# Altium PCB PCBDesign.PcbDoc (part 1 of 8) (continued)
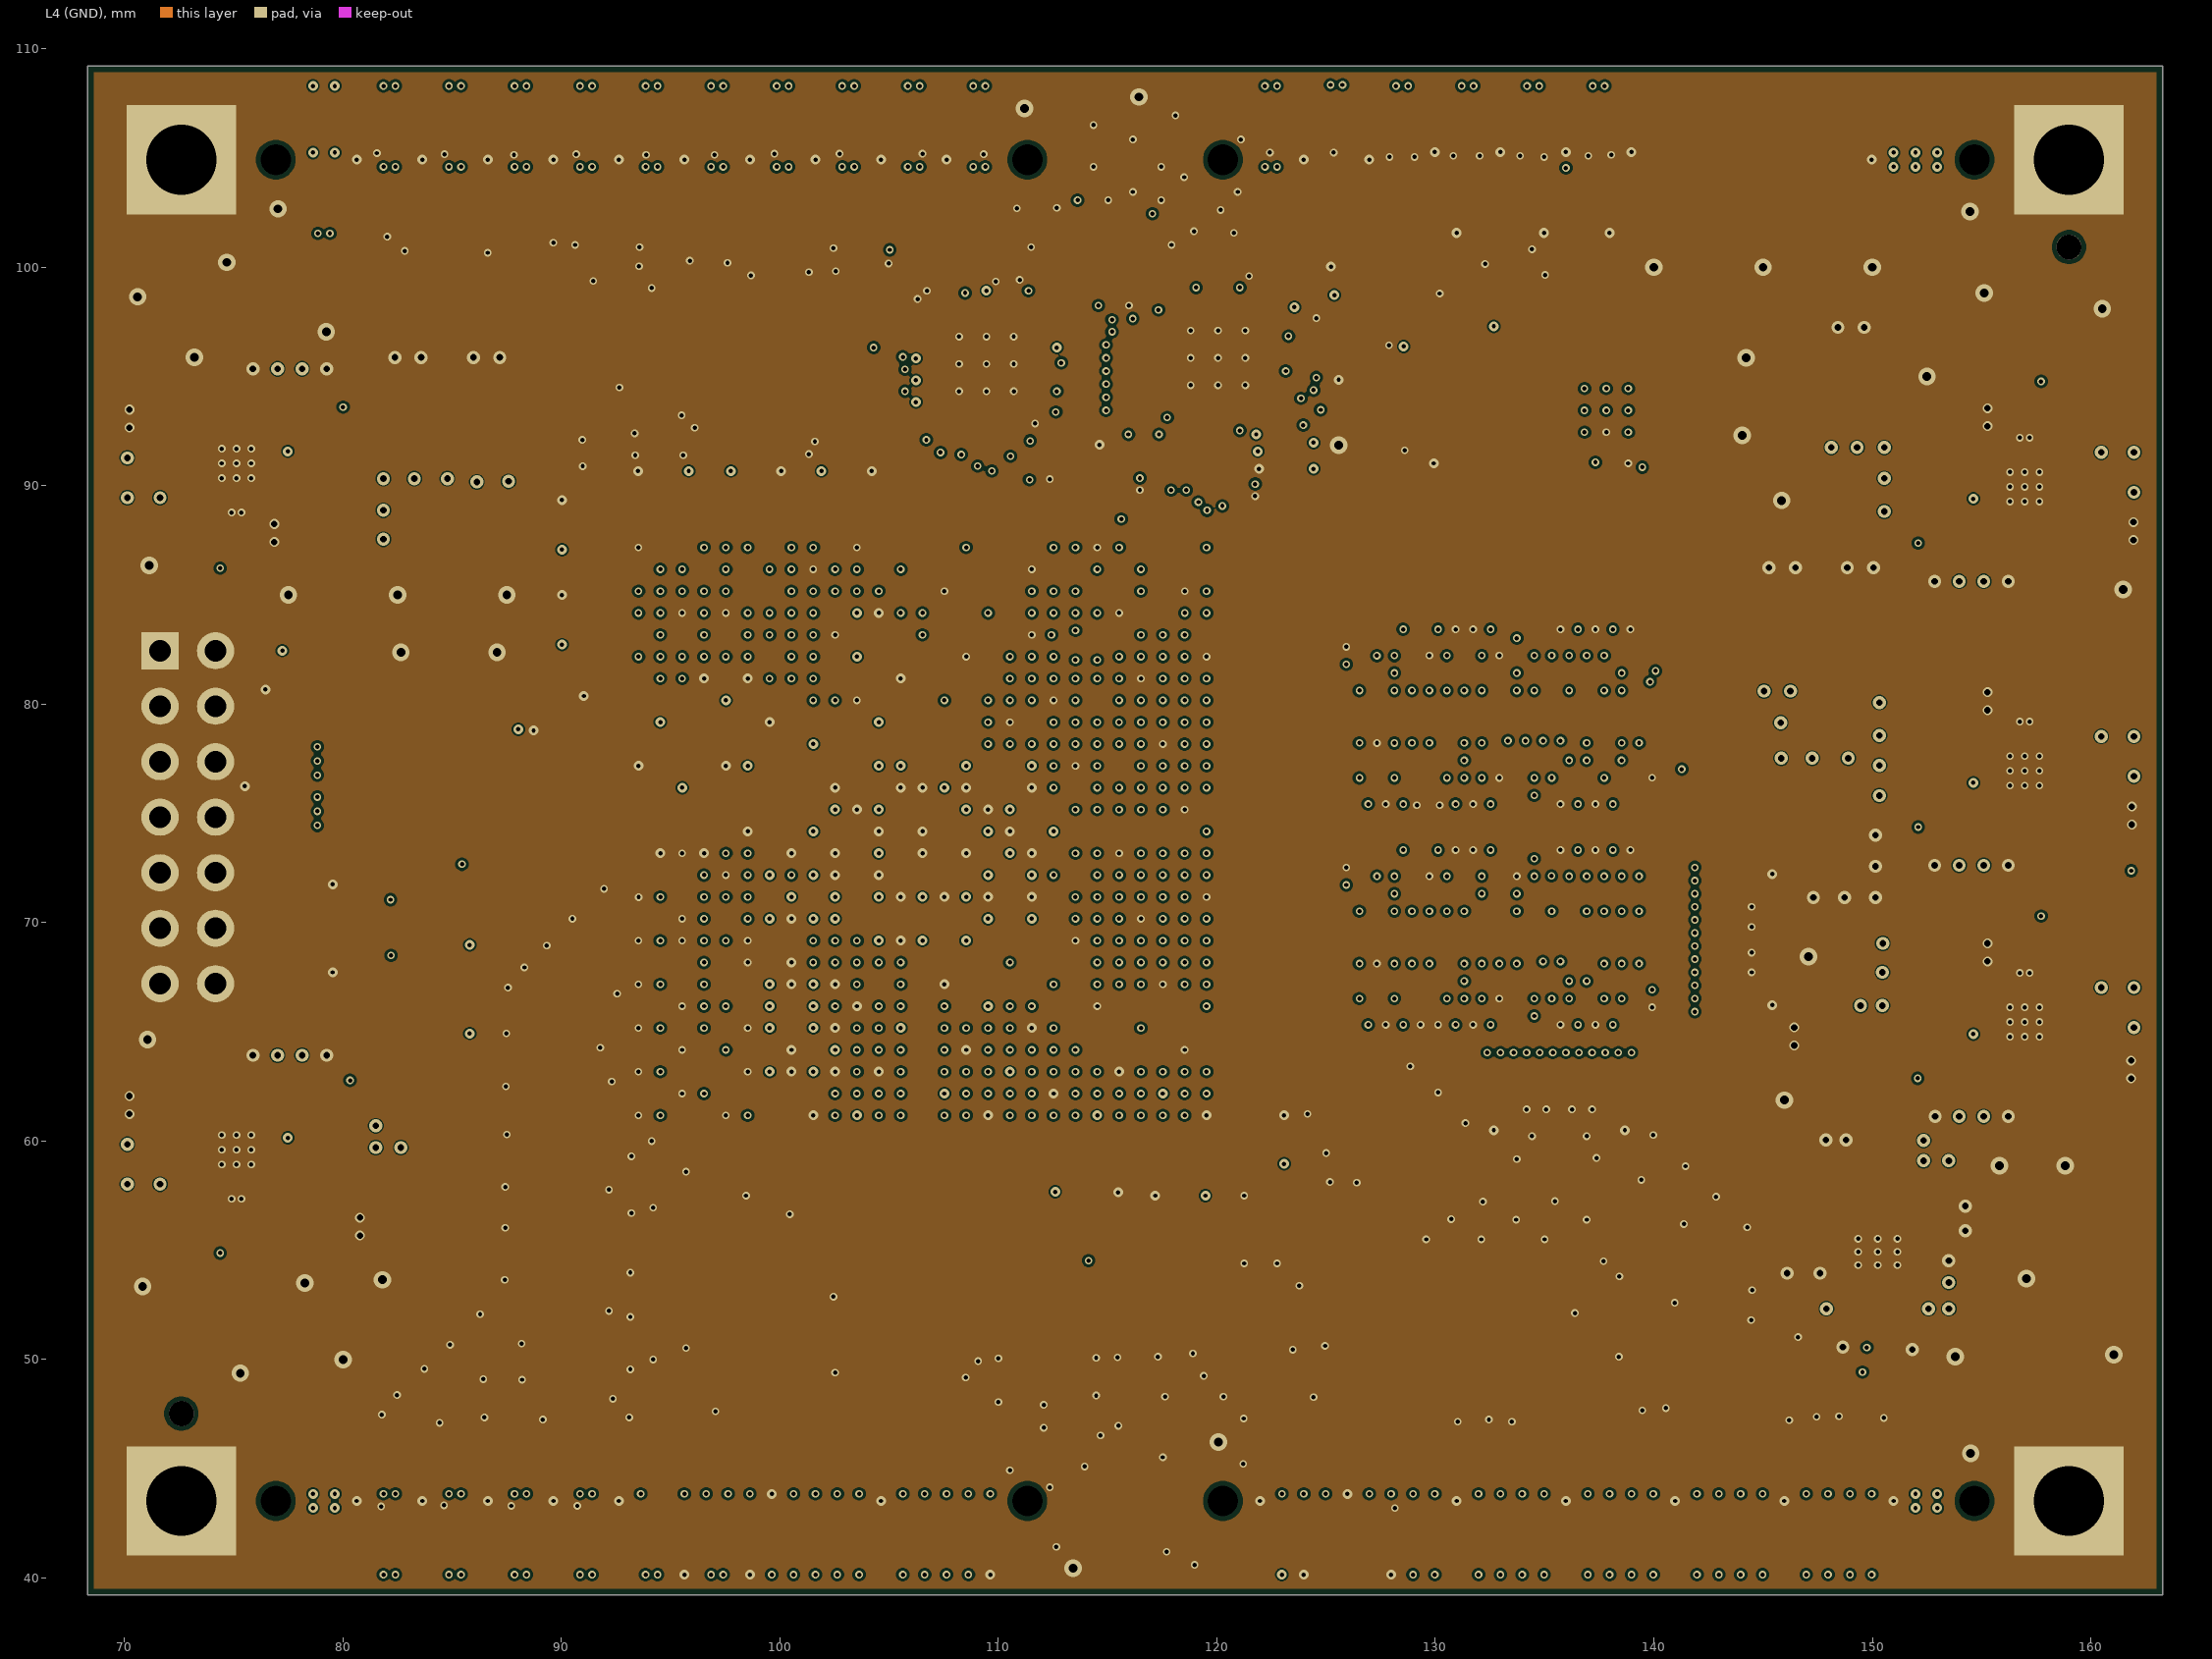
[diagram p4: L4 (GND)]
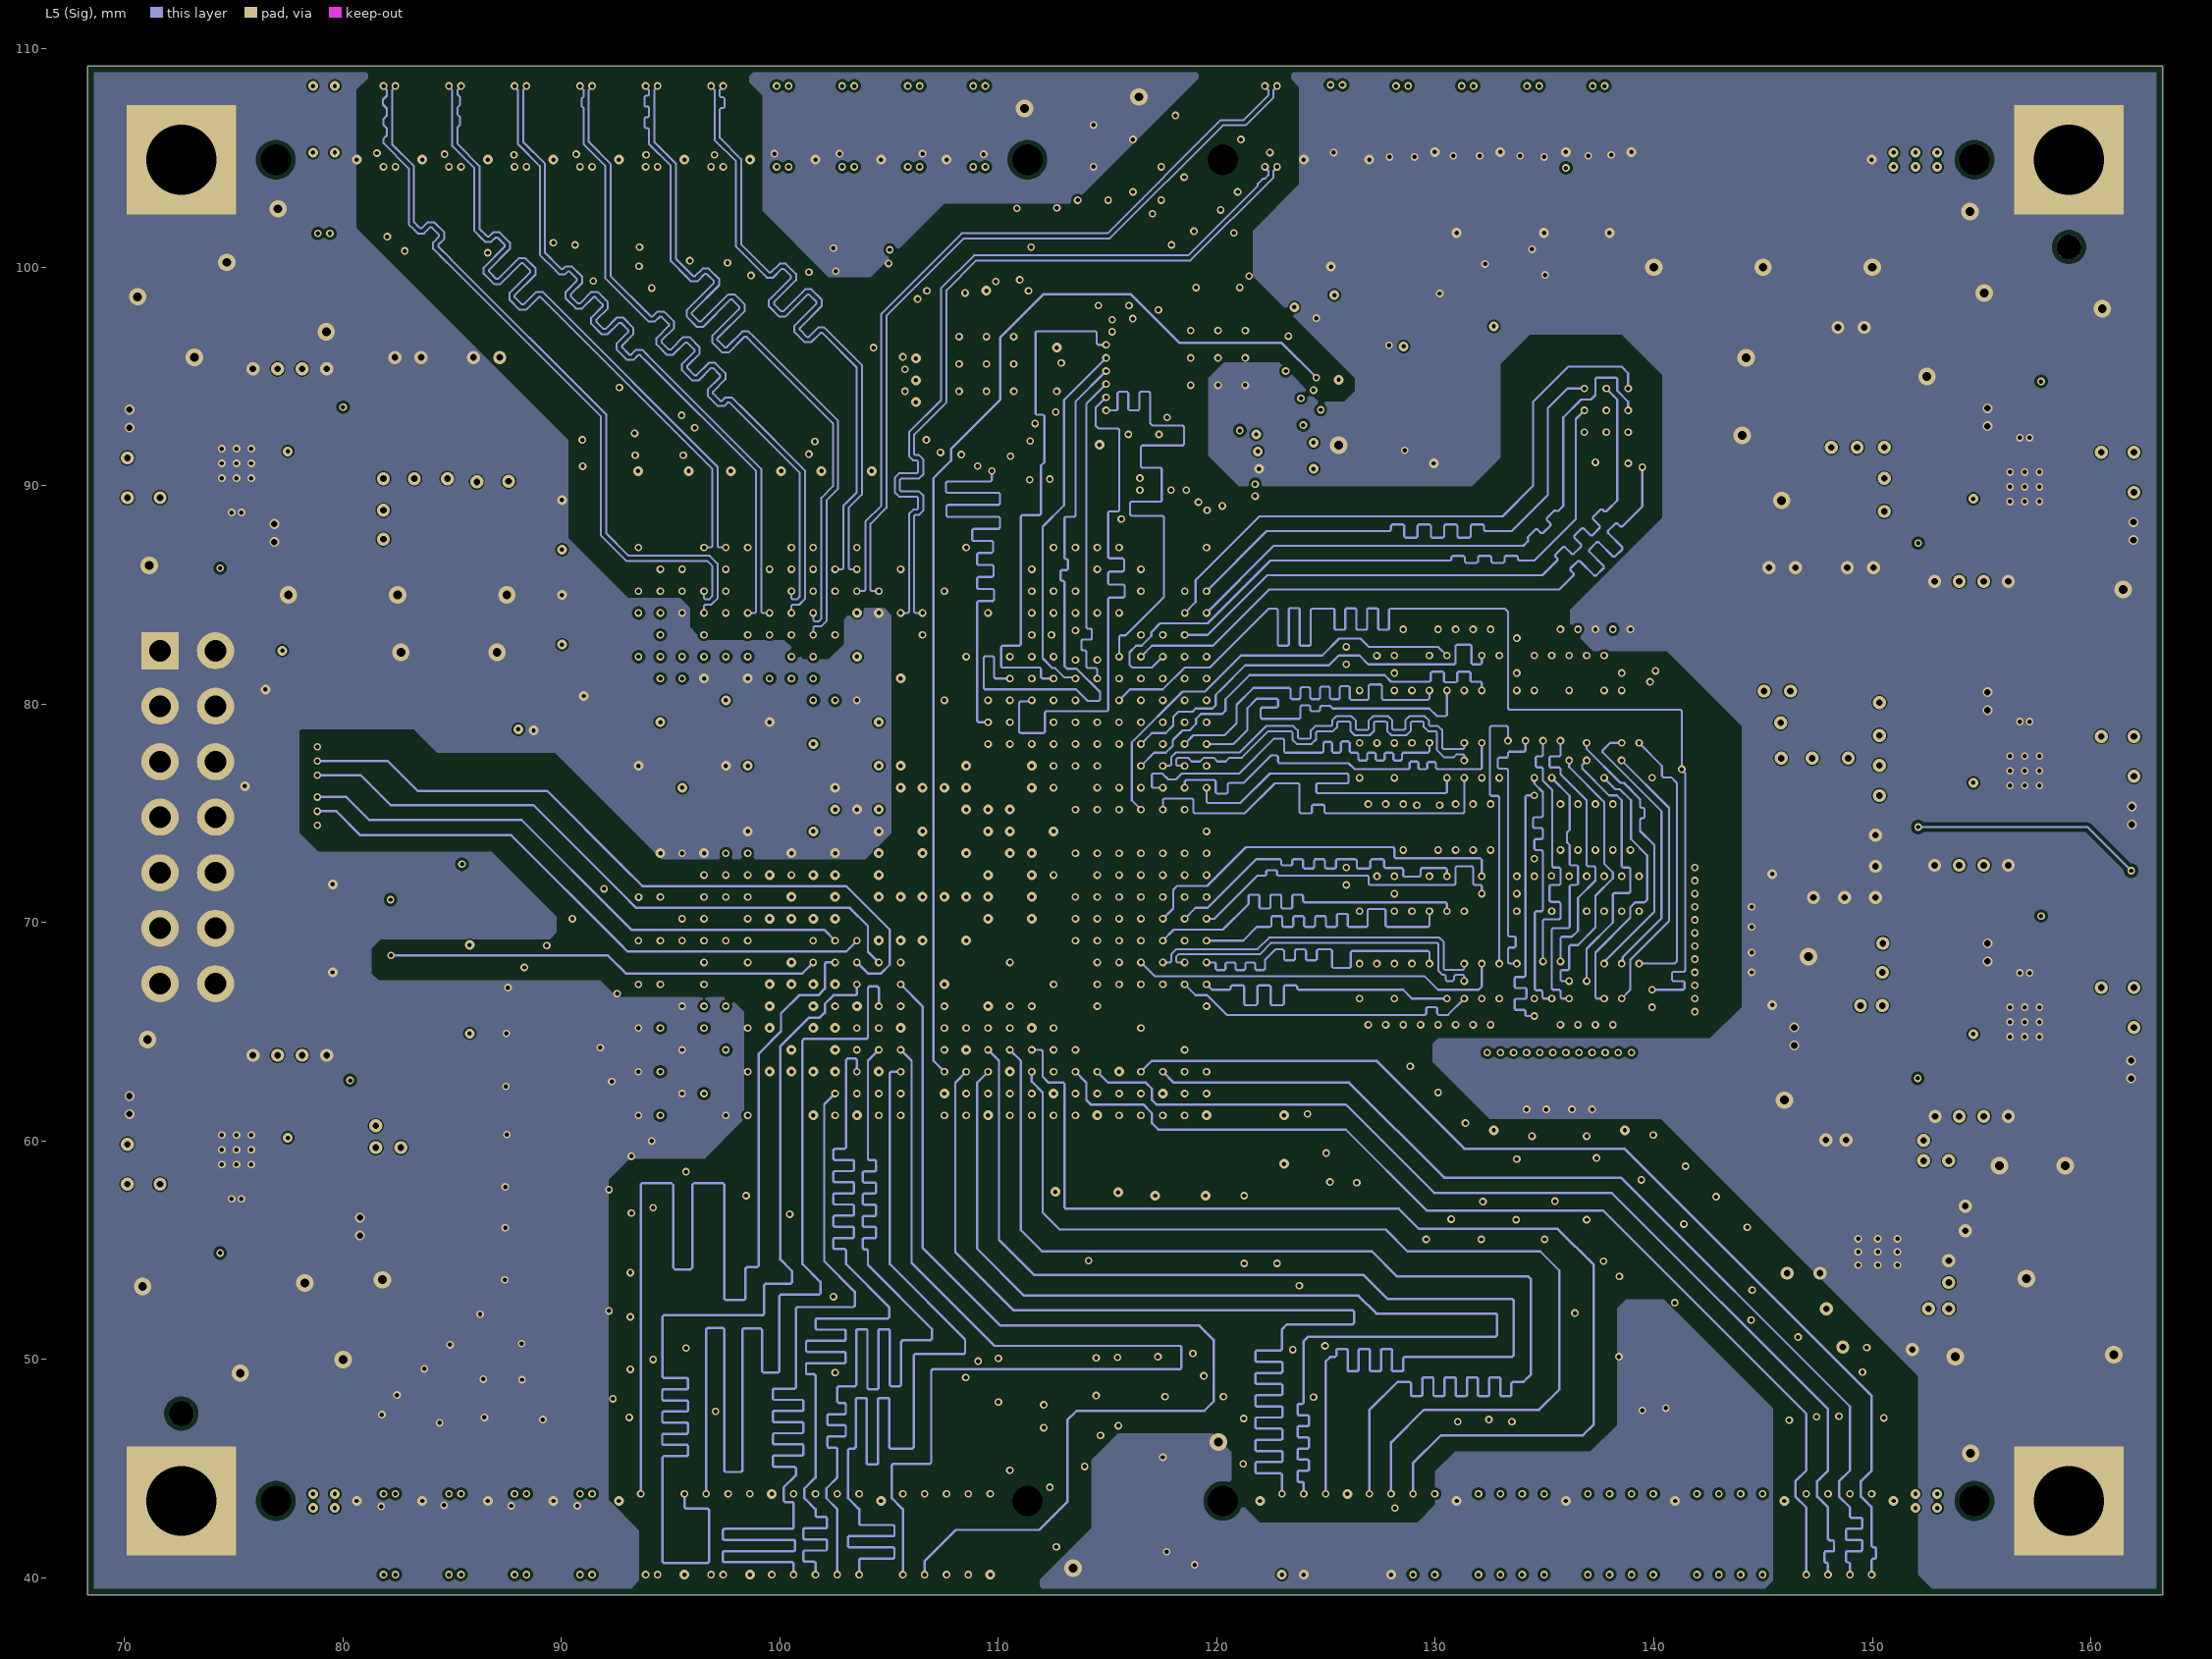
[diagram p5: L5 (Sig)]
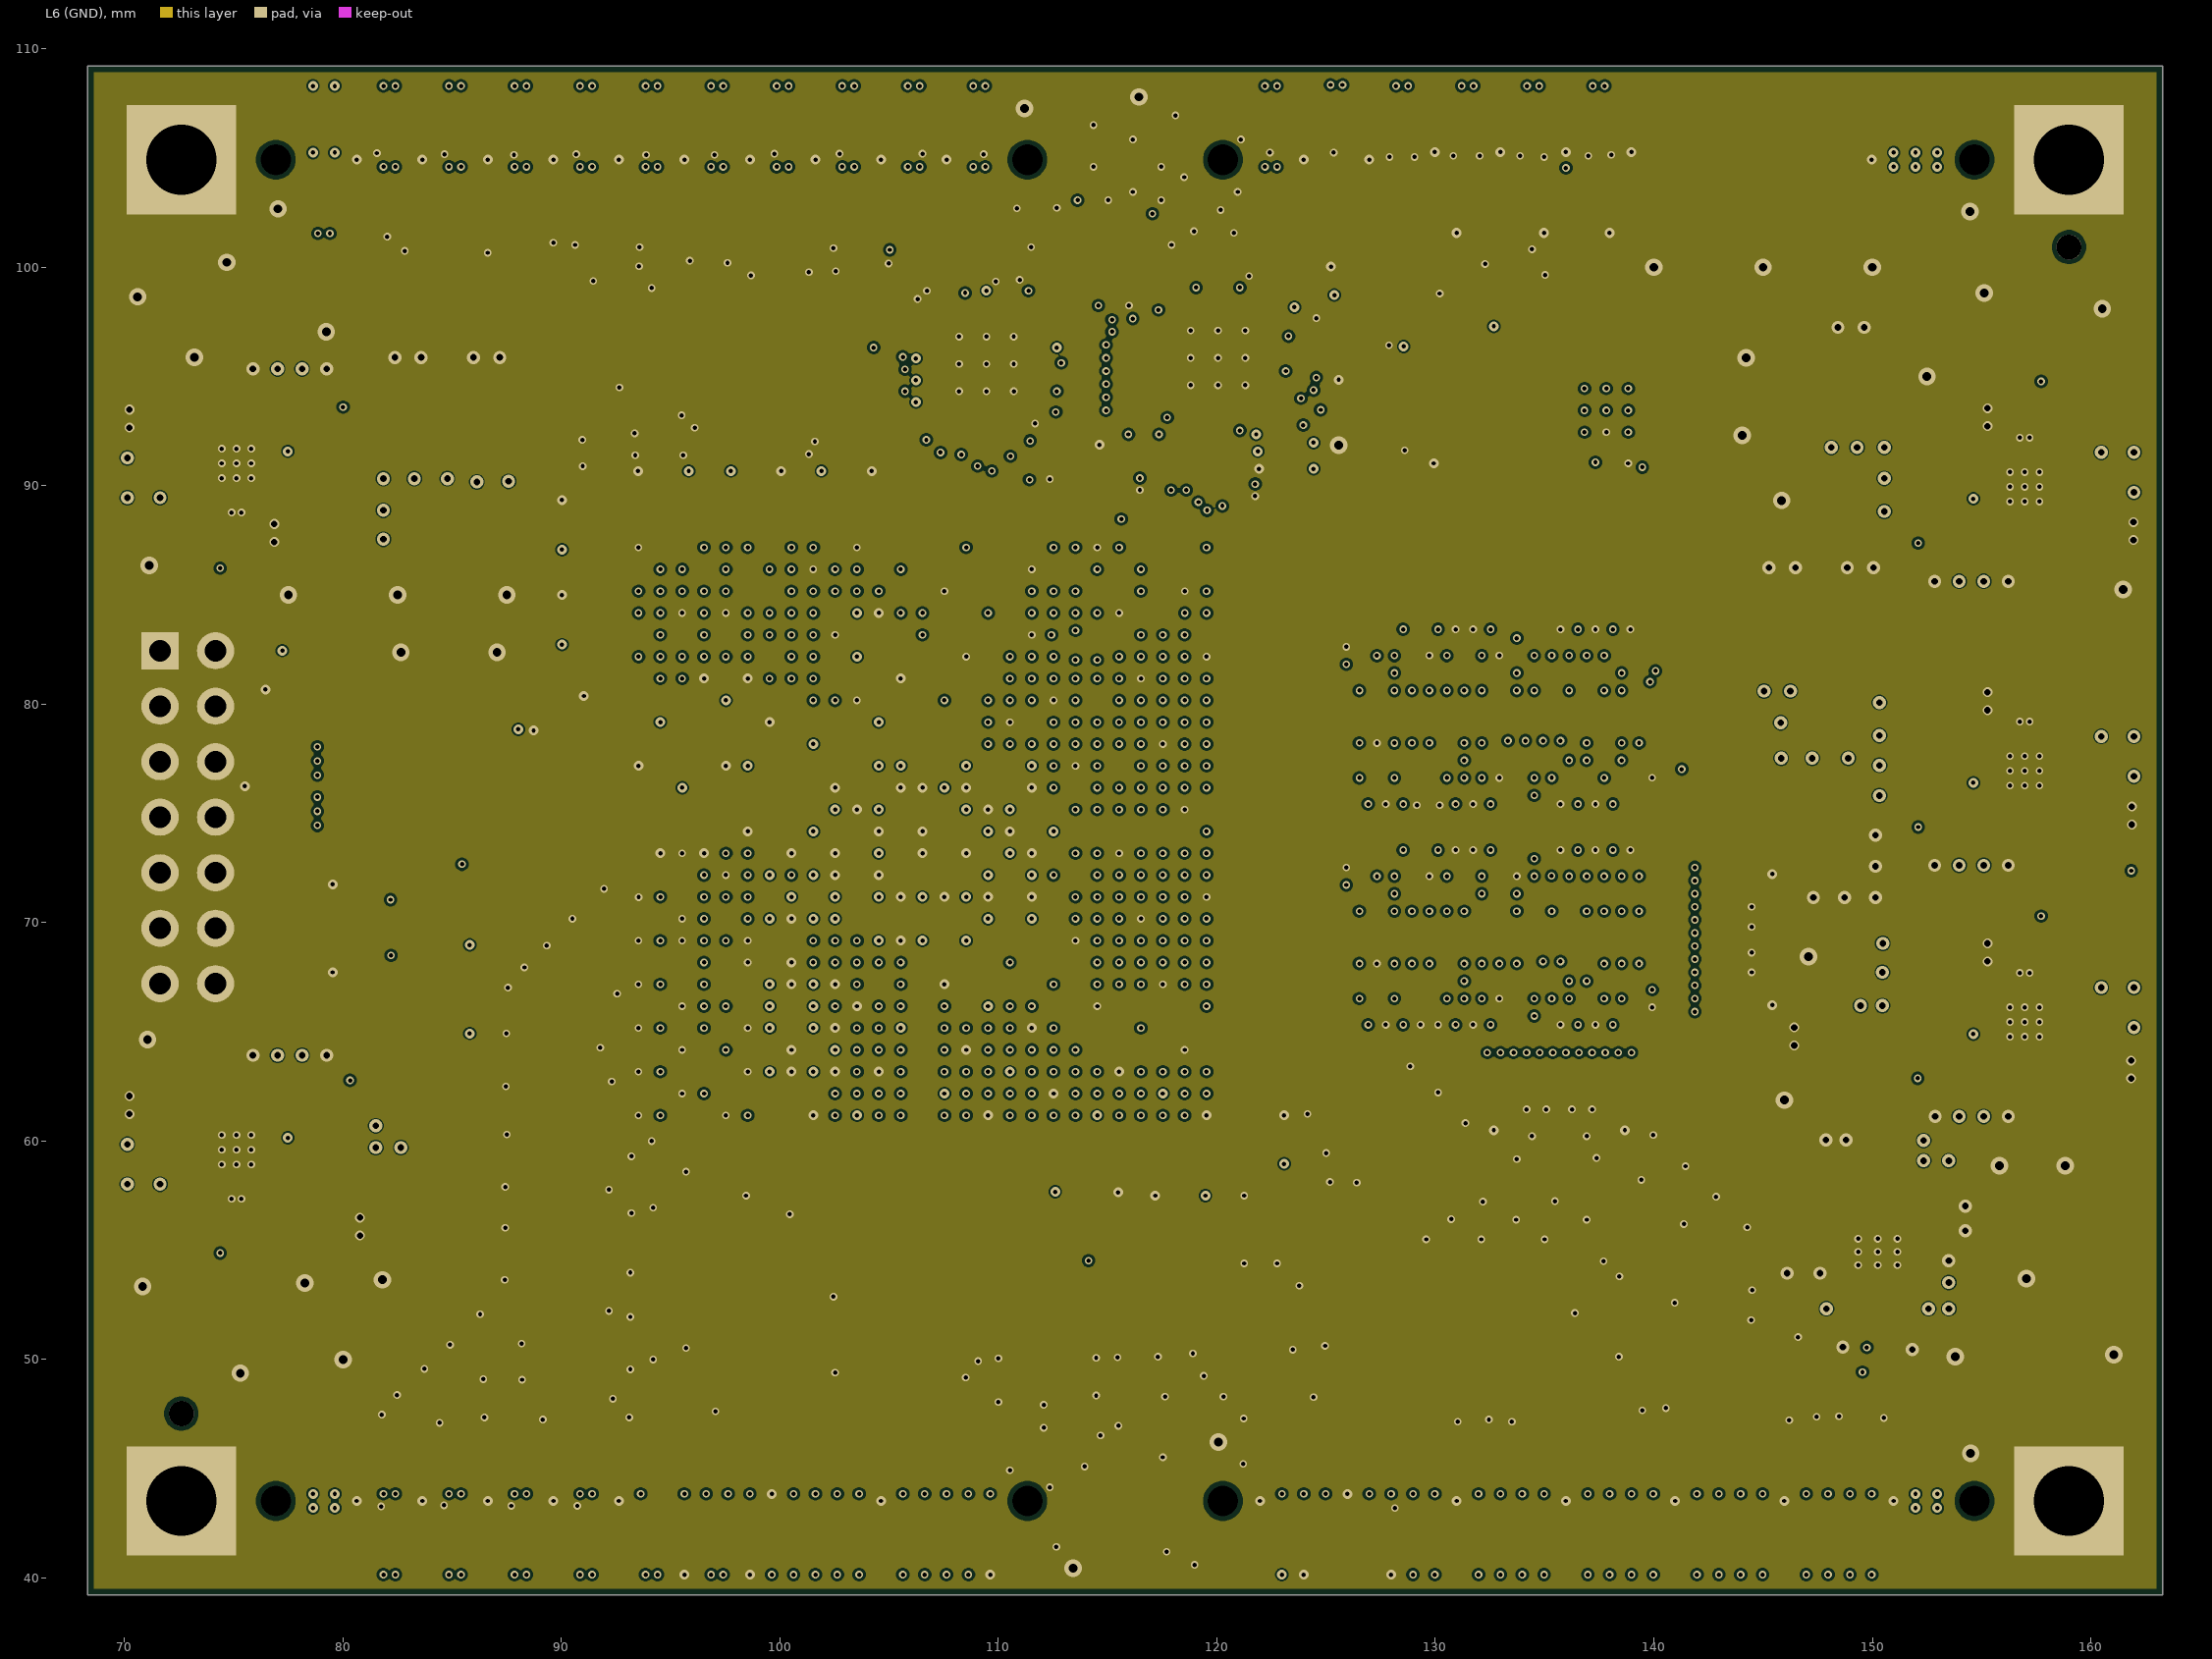
[diagram p6: L6 (GND)]
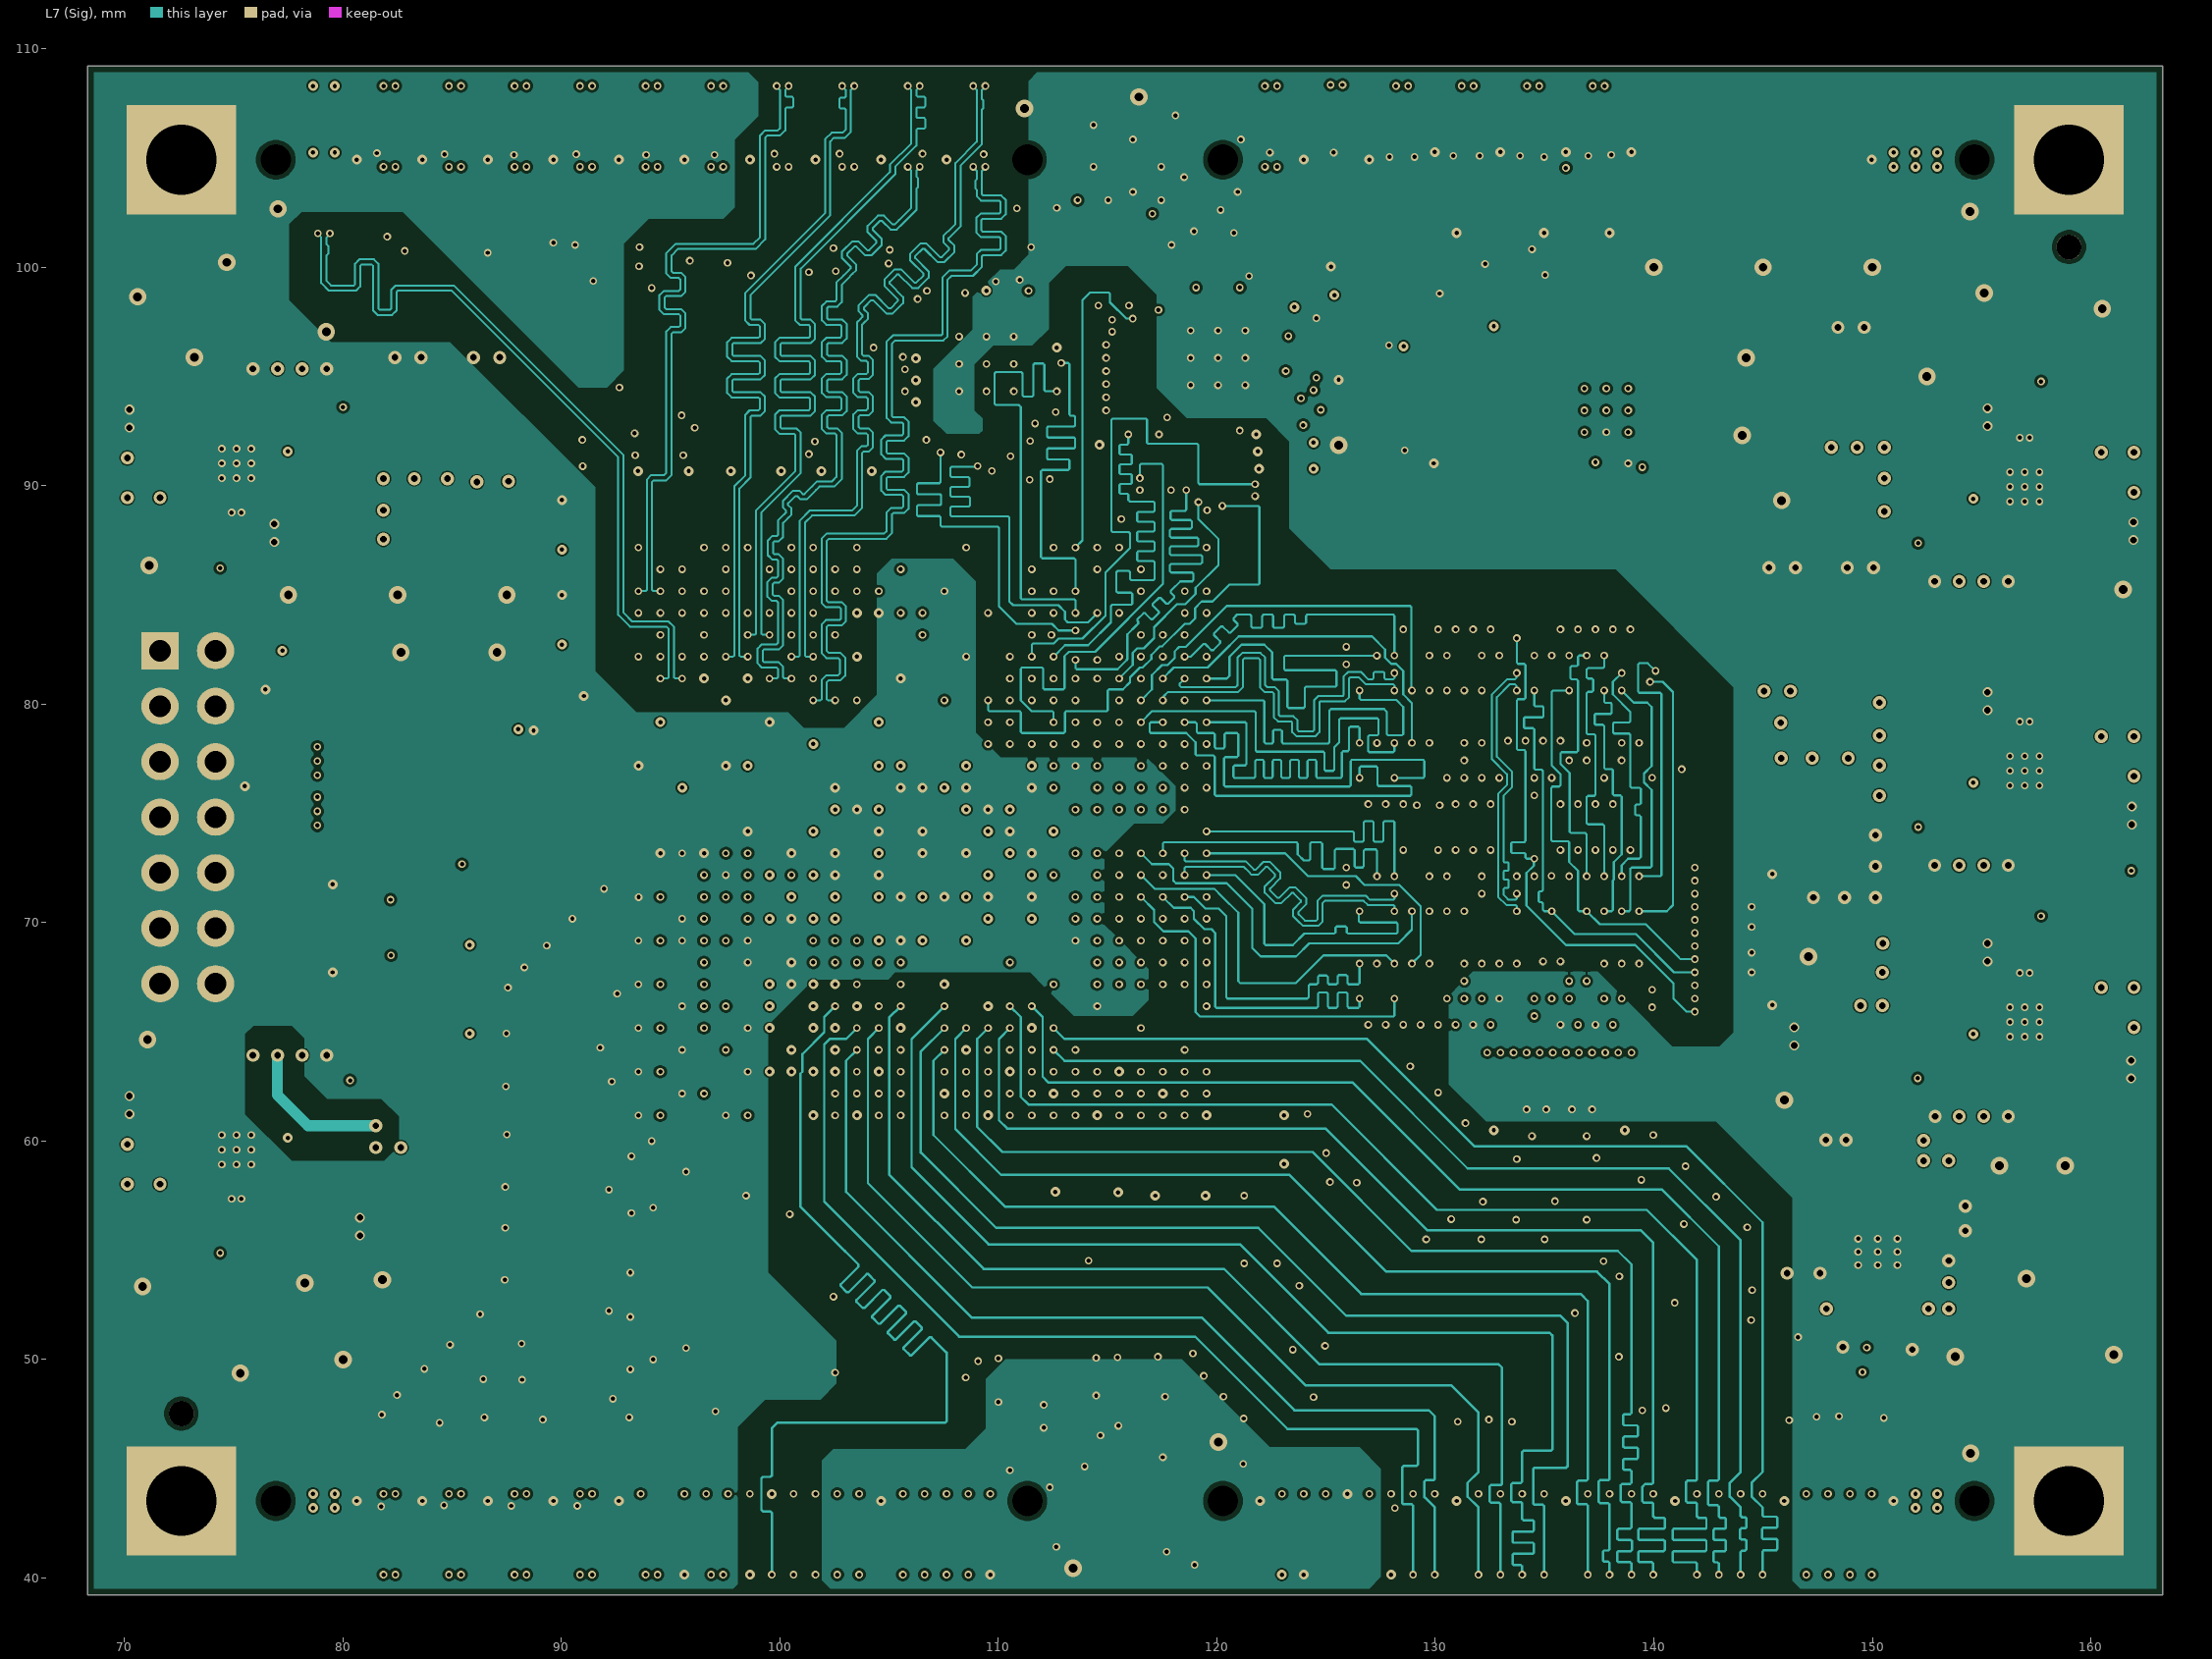
[diagram p7: L7 (Sig)]